# Altium PCB power_load.PcbDoc (part 1 of 2) (continued)
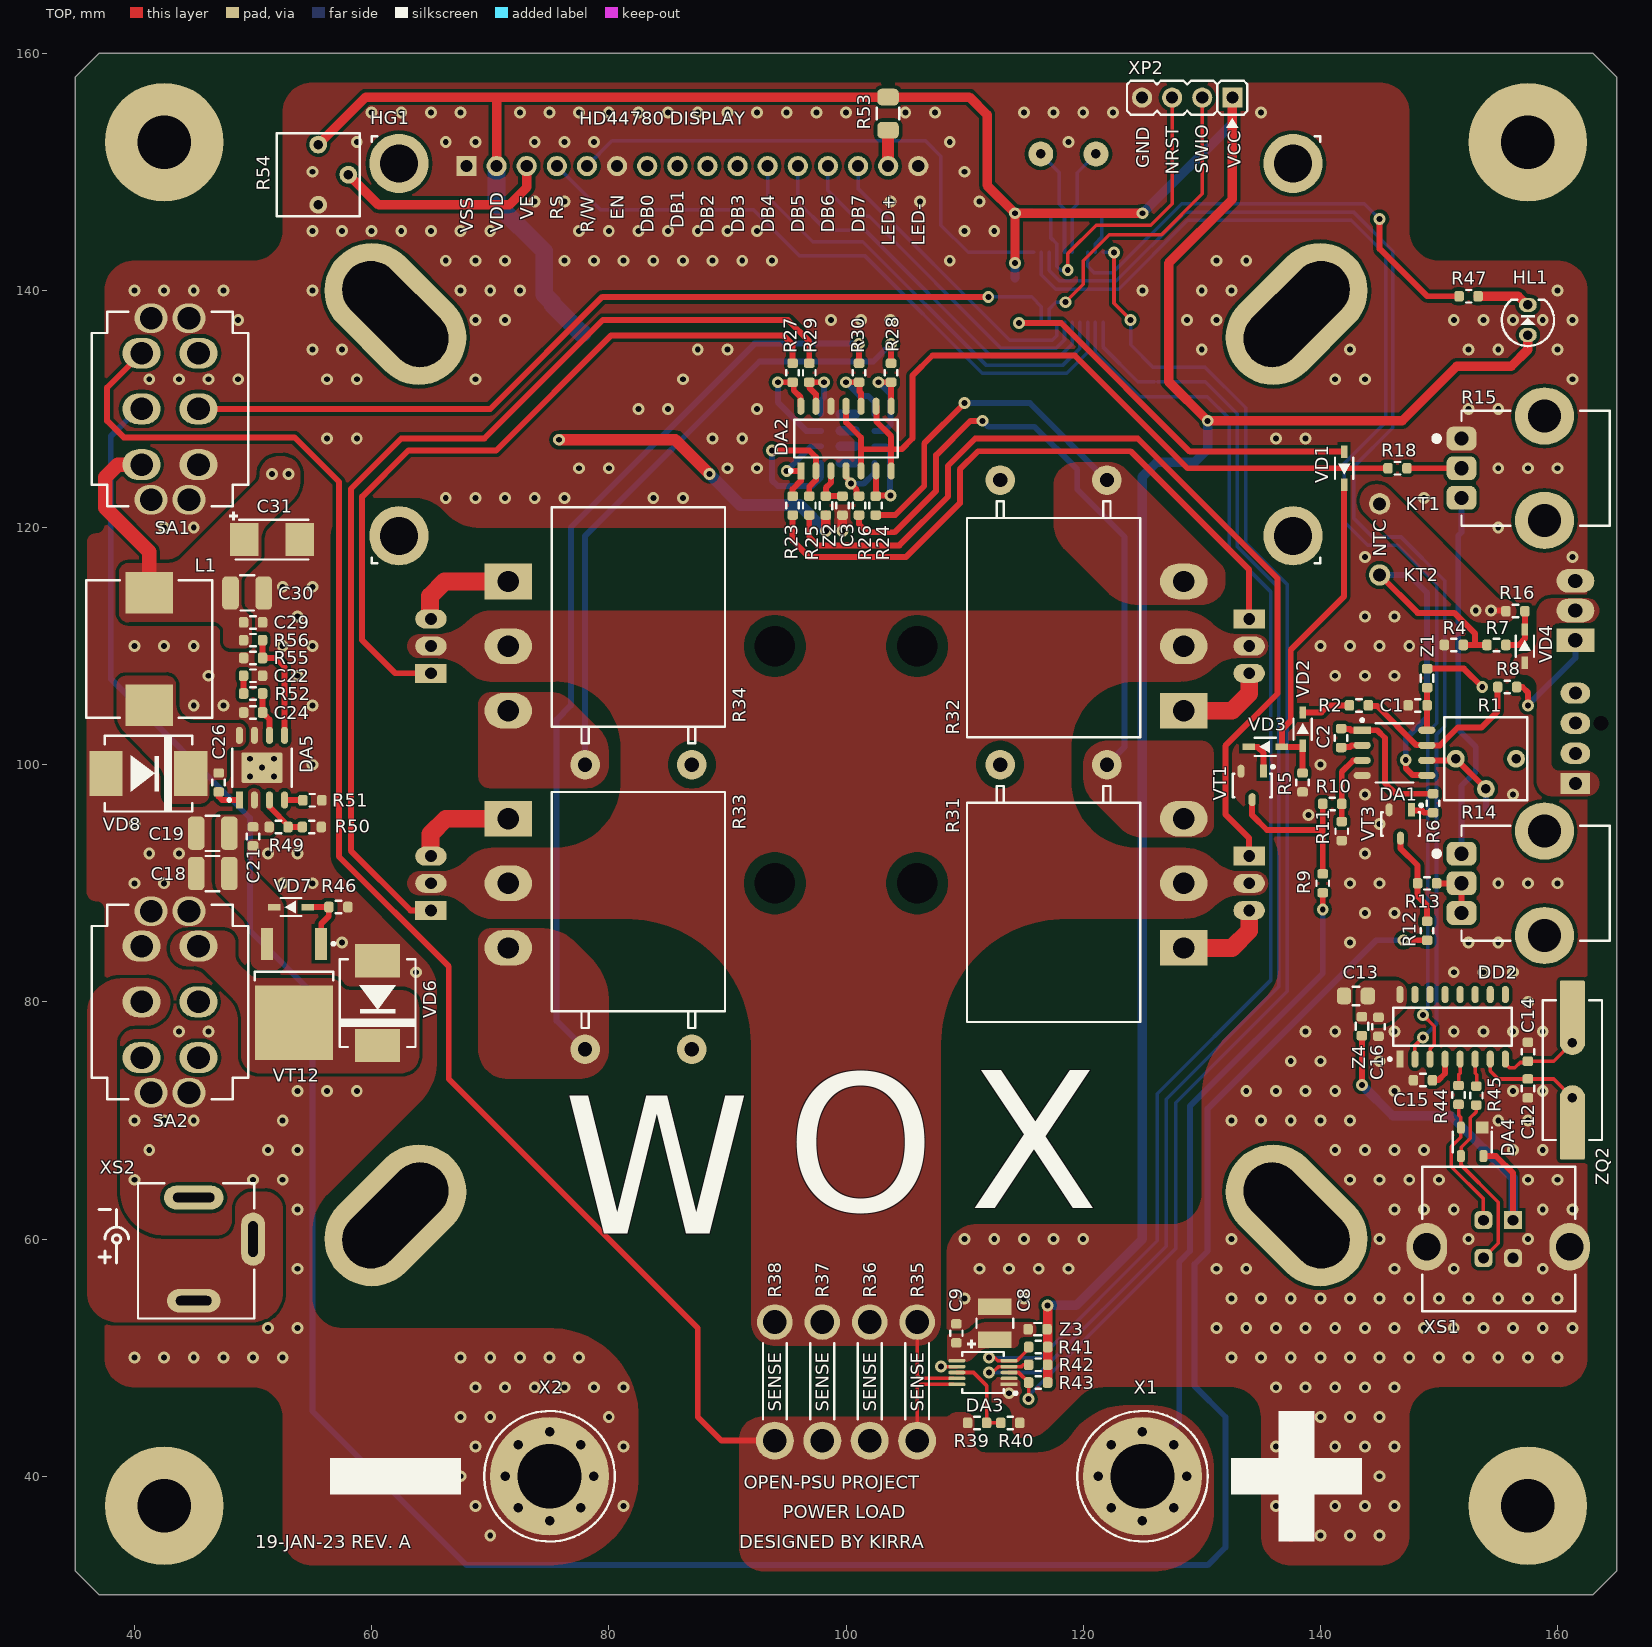
[diagram p0: TOP view]
## Components (designator, comment, footprint, x,y, rotation, side; value= is the part's Value field where it differs from the comment) (continued)
VT2 "TIP122" TO-220AB-3 161.5,113 r0 bottom
VT3 "BC846B,215" SOT23-3 146.75,95 r270 top
VT4 "BD139" "TO-126 (HORIZONTAL)" 134,90 r0 bottom locked
VT5 "BD139" "TO-126 (HORIZONTAL)" 134,110 r0 bottom locked
VT6 "BD139" "TO-126 (HORIZONTAL)" 65,90 r180 bottom locked
VT7 "BD139" "TO-126 (HORIZONTAL)" 65,110 r180 bottom locked
VT8 "MJE13009" "TO-3PN (HORIZONTAL, BOTTOM)" 128.475,90 r0 bottom locked
VT9 "MJE13009" "TO-3PN (HORIZONTAL, BOTTOM)" 128.475,110 r0 bottom locked
VT10 "MJE13009" "TO-3PN (HORIZONTAL, BOTTOM)" 71.525,90 r180 bottom locked
VT11 "MJE13009" "TO-3PN (HORIZONTAL, BOTTOM)" 71.525,110 r180 bottom locked
VT12 "WMO18P10TS" TO-252-3 53.45,80.7 r270 top
X1 "M5 x 8 mm" STANDOFF_M5_8MM 125,40 r0 top
X2 "M5 x 8 mm" STANDOFF_M5_8MM 75,40 r0 top
XP1 "470531000" 0470531000 161.5,103.5 r270 bottom
XP2 "PLS-4" PLS-4 132.58,156.25 r180 top
XS1 "DS1099-01-WN0-FE" DS1099-01-WN0-FE 155,60 r0 top
XS2 "DC-013A" DC-013A 45,60 r0 top
Z1 "BLM18AG331SN1D" BLM0603P 149,107.3 r90 top
Z2 "BLM18AG331SN1D" BLM0603P 98.3,121.85 r270 top
Z3 "BLM18AG331SN1D" BLM0603P 116.15,52.4 r180 top
Z4 "BLM18AG331SN1D" BLM0603P 143.5,77.95 r90 top
Z5 "BLM18AG331SN1D" BLM0603P 122.35,146.5 r0 bottom
Z6 "BLM18AG331SN1D" BLM0603P 128.05,126.3 r270 bottom
ZQ1 "SJK-6C-12.000-16-30-50-B-50-H" HC-49/US_With_Hole 118.75,151.5 r180 bottom
ZQ2 "SJK-6C-12.000-16-30-50-B-50-H" HC-49/US_With_Hole 161.25,74.25 r90 top

## Footprints (in the part's own frame and the unit in brackets; to place one, negate y for a bottom-side part, rotate by r counter-clockwise, add the part's x,y. Pads: shape width x height; smd on the part's side, far side on the other; paste and mask are expansions set on the pad)
1612-2_SLOT [mm] "Swage Threaded Standoffs 6-32 UNC"
  oval 13.6x8 hole 4.8 slot 10.657 at 45 deg rot 45 mask+0.075: 1(2,2)
  silkscreen extent -4.4,-4.4 8.4,8.4, body extent -3.17,-3.17 3.18,3.18, height 4.82
3362P [mm]
  round 1.5 hole 0.8: 1(2.54,0) 2(0,-2.54) 3(-2.54,0)
  silkscreen extent -3.5,-3.5 3.5,3.5, body extent -3.3,-3.3 3.3,3.3, height 4.79
0470531000 [mm]
  round 0 hole 1.25: 0(0,-2.16)
  rect 1.8x2.5 hole 1.1: 1(5.08,0)
  oval 1.8x2.5 hole 1.1: 2(2.54,0) 3(0,0) 4(-2.54,0)
  silkscreen extent -3.94,-2.67 6.53,3.43, body extent -3.81,-2.54 6.39,3.3, height 10.5
BLM0603P [mm] "Filter 0603"
  rrect50% 0.8x0.9 smd mask+0.05: 1(-0.8,0) 2(0.8,0)
  silkscreen extent -0.3,-0.53 0.3,0.53, body extent -0.82,-0.4 0.78,0.4, height 0.8
BPR58_HORIZONTAL [mm] "Metal plate resistor 5W"
  round 2.5 hole 1.2 mask+0.075: 1(-4.5,0) 2(4.5,0)
  silkscreen extent -7.3,-21.7 7.3,-1.8, body extent -7,-21.5 7,0.4, height 5.5
CAP0603 [mm] "Capacitor 0603"
  rrect50% 0.8x0.9 smd: 1(-0.8,0) 2(0.8,0)
  silkscreen extent -0.23,-0.53 0.23,0.53, body extent -0.8,-0.41 0.8,0.41, height 0.82
CAP0805-0.75 [mm] "Capacitor 0805"
  rrect50% 1.2x1.4 smd: 1(-1,-0.005) 2(1,-0.005)
  silkscreen extent -0.28,-0.78 0.28,0.77, body extent -1,-0.64 1,0.64, height 1.27
CAP1210-2.2 [mm] "Capacitor 1210"
  rrect50% 1.4x2.8 smd: 1(-1.4,0.025) 2(1.4,0.025)
  silkscreen extent -0.6,-1.48 0.58,1.5, body extent -1.6,-1.25 1.6,1.25, height 2.2
CAP_CASE_B [mm] "Capacitor Case B"
  rect 1.4x2.8 smd: 1(-1.4,0.025) 2(1.4,0.025)
  silkscreen extent -2.12,-1.52 0.4,2.37, body extent -1.87,-1.46 1.83,1.47, height 2.03
CAP_CASE_C [mm] "Capacitor Case C"
  rect 2.4x2.8 smd paste-50 mask+0.05: 1(-2.35,0.025) 2(2.35,0.025)
  silkscreen extent -3.62,-1.67 3.05,2.38, body extent -3.05,-1.67 3.05,1.68, height 2.7
CURRENT_SENSE_10x11mm [mm] "Constantan Current Sense, 10mm length, 11mm Heigth"
  round 3 hole 2 mask+0.075: 1(-5,0)
  round 3.2 hole 2 mask+0.075: 2(5,0)
  silkscreen extent -3.2,-1 3.2,1, body extent -6.25,-0.75 6.24,0.75, height 9.25
DC-013A [mm]
  oval 5x2 hole 0.8 slot 3.5 at 0 deg: 1(0,3.5)
  oval 2x4.5 hole 0.8 slot 3 at 90 deg: 2(5,0)
  oval 4.5x2 hole 0.8 slot 3 at 0 deg: 3(0,-5.2)
  silkscreen extent -8,-6.7 5.1,4.7, body extent -4.5,-6.5 4.9,4.5, height 15.2
DO-214AB [mil] "Molded Diode, 2-Leads, Body 6.9x5.8mm"
  rect 110x150 smd: 1(-140.49,0) 2(140.49,0)
  silkscreen extent -146,-126 146,126, body extent -156,-116 156,116, height 93
DS1099-01-WN0-FE [mm]
  rect 1.5x1.5 hole 0.9: 1(1.25,1.6)
  rrect50% 1.5x1.5 hole 0.9: 2(-1.25,1.6) 3(-1.25,-1.6) 4(1.25,-1.6)
  oval 3.4x4 hole 2.3: M1(-6.02,-0.65) M2(6.02,-0.65)
  silkscreen extent -6.4,-6.1 6.5,6.1, body extent -7.57,-5.73 7.58,5.73, height 15.72
GNL-3012GD [mm] "3mm Standard Brightness LED"
  oval 1.2x1.5 hole 0.8: 1(-1.27,0) 2(1.27,0)
  silkscreen extent -1.7,-2.2 2.2,2.2, body extent -1.52,-1.95 1.95,1.95, height 1.5
HC-49/US_With_Hole [mm]
  rrect10% 5.6x2.1 smd: 1(-4.75,0) 2(4.75,0)
  round 2.1 hole 0.8: 1(-2.325,0) 2(2.325,0)
  silkscreen extent -5.9,-2.5 5.9,2.5, body extent -6.15,-2.35 6.15,2.35, height 4.31
MHCC10040 [mm]
  rect 3.5x4 smd paste-5: 1(-4.75,0) 2(4.75,0)
  silkscreen extent -5.8,-5.3 5.8,5.3, body extent -5.8,-5.05 5.8,5.05, height 4.1
MTS-202-A2T [mm]
  oval 2.6x3.2 hole 1.9: 1(-4.7,2.4) 2(-4.7,-2.4) 3(0,2.4) 4(0,-2.4) 5(4.7,2.4) 6(4.7,-2.4)
  oval 2.5x2.8 hole 1.9: M1(-7.65,1.6) M2(-7.65,-1.6) M3(7.65,1.6) M4(7.65,-1.6)
  silkscreen extent -8.2,-6.6 8.2,6.6, body extent -7.9,-6.35 7.9,6.35, height 31.22
PLS-4 [mm]
  rect 1.7x1.7 hole 1.02: 1(0,0)
  round 1.7 hole 1.02: 2(2.54,0) 3(5.08,0) 4(7.62,0)
  silkscreen extent -1.27,-1.43 8.89,2.54, body extent -1.27,-1.27 8.89,1.27, height 9.2
PTV09A-4225F [mm]
  rrect50% 2x2.5 hole 1.2: 1(-2.5,-5.6) 2(0,-5.6) 3(2.5,-5.6)
  oval 4.8x5 hole 2.8: 4(-4.4,1.4) 5(4.4,1.4)
  silkscreen extent -4.85,-7.9 4.85,6.9, body extent -5.48,-5.55 5.48,6.91, height 25.02
RES0603B [mm] "Resistor 0603"
  rrect50% 0.8x0.9 smd: 1(-0.8,0) 2(0.8,0)
  silkscreen extent -0.23,-0.53 0.23,0.53, body extent -0.85,-0.45 0.85,0.45, height 0.56
RES0603C [mm] "Resistor 0603"
  rrect50% 0.8x0.9 smd: 1(-0.8,0) 2(0.8,0)
  silkscreen extent -0.23,-0.53 0.23,0.53, body extent -0.82,-0.45 0.88,0.45, height 0.56
RES1206C [mm] "Resistor 1206"
  rrect50% 1.4x1.8 smd: 1(-1.4,0) 2(1.4,0)
  silkscreen extent -0.5,-0.95 0.5,0.95, body extent -1.65,-0.85 1.65,0.85, height 0.66
SOD-323 [mm]
  rect 1.05x0.55 smd: 1(-1.4,0) 2(1.4,0)
  silkscreen extent -0.89,-0.76 0.89,0.76, body extent -1.3,-0.67 1.3,0.68, height 1.1
SOD-323F [mm]
  rect 1.05x0.55 smd: 1(-1.4,0) 2(1.4,0)
  silkscreen extent -0.89,-0.76 0.89,0.76, body extent -1.35,-0.68 1.35,0.67, height 0.79
SOIC-8 [mm] "SOIC-8 package"
  rect 1.45x0.6 smd paste+0 mask+0.05: 1(-2.725,1.905)
  oval 1.45x0.6 smd paste+0 mask+0.05: 2(-2.725,0.635) 3(-2.725,-0.635) 4(-2.725,-1.905) 5(2.725,-1.905) 6(2.725,-0.635) 7(2.725,0.635) 8(2.725,1.905)
  silkscreen extent -2.85,-2.5 1.6,2.88, body extent -3,-2.45 3,2.45, height 1.75
SOIC-8EP [mm] "SOIC-8 package with exponsed pad"
  rect 1.45x0.6 smd paste+0 mask+0.05: 1(-2.725,1.905)
  oval 1.45x0.6 smd paste+0 mask+0.05: 2(-2.725,0.635) 3(-2.725,-0.635) 4(-2.725,-1.905) 5(2.725,-1.905) 6(2.725,-0.635) 7(2.725,0.635) 8(2.725,1.905)
  rrect10% 2.56x3.45 smd paste-50 mask+0.05: EP(0,0)
  silkscreen extent -2.85,-2.5 1.6,2.88, body extent -3,-2.45 3,2.45, height 1.75
SOIC-14 [mm] "package SOIC-14, 150 mil"
  rect 1.45x0.6 smd paste+0 mask+0.05: 1(-2.725,3.81)
  oval 1.45x0.6 smd paste+0 mask+0.05: 2(-2.725,2.54) 3(-2.725,1.27) 4(-2.725,0) 5(-2.725,-1.27) 6(-2.725,-2.54) 7(-2.725,-3.81) 8(2.725,-3.81) 9(2.725,-2.54) 10(2.725,-1.27) 11(2.725,0) 12(2.725,1.27) 13(2.725,2.54) 14(2.725,3.81)
  silkscreen extent -2.85,-4.37 1.6,4.78, body extent -3.07,-4.35 3.07,4.35, height 1.73
SOIC-16 [mm] "package SOIC-16, 150 mil"
  rect 1.45x0.6 smd paste+0 mask+0.05: 1(-2.725,4.445)
  oval 1.45x0.6 smd paste+0 mask+0.05: 2(-2.725,3.175) 3(-2.725,1.905) 4(-2.725,0.635) 5(-2.725,-0.635) 6(-2.725,-1.905) 7(-2.725,-3.175) 8(-2.725,-4.445) 9(2.725,-4.445) 10(2.725,-3.175) 11(2.725,-1.905) 12(2.725,-0.635) 13(2.725,0.635) 14(2.725,1.905) 15(2.725,3.175) 16(2.725,4.445)
  silkscreen extent -2.85,-5 1.6,5.42, body extent -3,-5 3,5, height 1.75
SOT23-3 [mm] "SOT23, 6-Leads, Body 2.90x2.80mm, Pitch 0.95mm, IPC Medium Density"
  rect 1.1x0.6 smd paste+0 mask+0.05: 1(-1.2,0.95)
  oval 1.1x0.6 smd paste+0 mask+0.05: 2(-1.2,-0.95) 3(1.2,0)
  silkscreen extent -1.7,-1.63 1,1.88, body extent -1.3,-1.45 1.3,1.45, height 1.14
SOT143 [mm] "SOT143, 4-Leads, Body 2.92x2.37mm, Pitch 1.90mm, IPC Medium Density"
  rect 1x1.05 smd paste+0 mask+0.05: 1(-1.2,0.85)
  rrect50% 1x0.65 smd paste+0 mask+0.05: 2(-1.2,-0.95) 3(1.2,-0.95) 4(1.2,0.95)
  silkscreen extent -1.25,-1.65 0.87,1.73, body extent -1.18,-1.45 1.18,1.45, height 1.22
STANDOFF_M5_8MM [mm]
  round 10 hole 5.4: 1(0,0)
  silkscreen extent -5.5,-5.5 5.5,5.5, body extent -3.94,-3.5 3.94,3.5, height 8
TEST_PAD_HOLE1.1x1.8 [mm]
  round 1.8 hole 1.1 paste-0.05 mask+0.075: 1(0,0)
"TO-3PN (HORIZONTAL, BOTTOM)" [mm]
  rect 4x3 hole 1.8: 1(0,5.45)
  oval 4x3 hole 1.8: 2(0,0) 3(0,-5.45)
  round 0 hole 3.4 unplated: M(-22.475,0)
  silkscreen extent -27.8,-8.2 3.55,8.2, body extent -27.47,-7.9 0.35,7.9, height 5
"TO-126 (HORIZONTAL)" [mm]
  rect 2.65x1.6 hole 1: 1(0,-2.29)
  oval 2.65x1.6 hole 1: 2(0,0) 3(0,2.29)
  silkscreen extent 1.8,-4.1 14.15,3.85, body extent -0.29,-3.8 14.19,3.8, height 2.7
TO-220AB-3 [mm]
  rect 3.2x2 hole 1.2: 1(0,2.5)
  oval 3.2x2 hole 1.2: 2(0,0) 3(0,-2.5)
  silkscreen extent -1.5,-5 2.9,5, body extent -1.55,-4.95 2.91,4.95, height 20.05
TO-252-3 [mm] "D-PAK, 3-Pads, Body 6.15x6.66mm (max), IPC Medium Density"
  rect 2.7x1 smd paste+0 mask+0.05: 1(-4.2,2.28) 3(-4.2,-2.28)
  rect 6.3x6.6 smd paste-50 mask+0.05: 2(2.45,0)
  silkscreen extent -4.32,-3.3 -1.1,3.46, body extent -4.82,-3.29 4.88,3.29, height 2.3
TSSOP-20 [mm] "TSOP, 20-Leads, Body 6.50x4.40mm, Pitch 0.65mm, IPC Medium Density"
  rect 1.4x0.45 smd paste+0 mask+0.05: 1(-2.95,2.925)
  oval 1.4x0.45 smd paste+0 mask+0.05: 2(-2.95,2.275) 3(-2.95,1.625) 4(-2.95,0.975) 5(-2.95,0.325) 6(-2.95,-0.325) 7(-2.95,-0.975) 8(-2.95,-1.625) 9(-2.95,-2.275) 10(-2.95,-2.925) 11(2.95,-2.925) 12(2.95,-2.275) 13(2.95,-1.625) 14(2.95,-0.975) 15(2.95,-0.325) 16(2.95,0.325) 17(2.95,0.975) 18(2.95,1.625) 19(2.95,2.275) 20(2.95,2.925)
  silkscreen extent -3.07,-3.45 2.42,3.82, body extent -3.21,-3.2 3.22,3.2, height 1.11
VSSOP-10 [mm] "TSOP, 10-Leads, Body 3.00x3.00mm, Pitch 0.5mm, IPC Medium Density"
  rect 1.45x0.3 smd paste+0 mask+0.05: 1(-2.2,1)
  oval 1.45x0.3 smd paste+0 mask+0.05: 2(-2.2,0.5) 3(-2.2,0) 4(-2.2,-0.5) 5(-2.2,-1) 6(2.2,-1) 7(2.2,-0.5) 8(2.2,0) 9(2.2,0.5) 10(2.2,1)
  silkscreen extent -2.88,-1.73 1.75,1.87, body extent -2.46,-1.5 2.46,1.5, height 1.1
WH1602 [mm]
  rect 1.7x1.7 hole 1.02: 1(-32.003,15.484)
  round 1.7 hole 1.02: 2(-29.463,15.484) 3(-26.923,15.484) 4(-24.383,15.484) 5(-21.843,15.483) 6(-19.303,15.483) 7(-16.763,15.483) 8(-14.223,15.483) 9(-11.683,15.483) 10(-9.143,15.483) 11(-6.603,15.483) 12(-4.063,15.483) 13(-1.524,15.483) 14(1.016,15.483) 15(3.556,15.483) 16(6.096,15.483)
  round 5 hole 3.2: M1(-37.7,15.7) M2(-37.7,-15.7) M3(37.7,15.7) M4(37.7,-15.7)
  silkscreen extent -40,-18 40,18, body extent -40,-18 40,18, height 19.96

## Part data
C1 C2 C3 C4 C5 C6 C7 C9 C15 C16 C17 C20 C21 C25 C26 C27 C29 C32: library part C0603, "Capacitors 0603 package case", Dielectric=X7R, Manufacturer="Samsung Sdi Co. Ltd", Package=0603, Part Number=CL10B104KB8NNNC, Tolerance="± 10 %", Voltage=50V, Value on schem=0.1u
C8 C28: library part C_CASEB, "Tantalum capacitors case B", Manufacturer="Vishay Intertechnology Inc.", Package="case B", Part Number=293D107X0010B2TE3, Tolerance="± 10 %", Voltage=10V, ESR="2.5Ohm @ 100 kHz", Series=293D, Value on schem=100u
C10 C11 C12 C14: library part C0603, "Capacitors 0603 package case", Dielectric=NP0, Manufacturer=Samsung, Package=0603, Part Number=CL10C120JB8NNNC, Tolerance="± 5 %", Voltage=50V, Value on schem=16p
C13: library part C0805, "Capacitors 0805 package case", Dielectric=X7R, Manufacturer="Samsung Sdi Co. Ltd", Package=0805, Part Number=CL21B106KOQNNNE, Tolerance="± 10 %", Voltage=16V, Value on schem=10u
C18 C19 C30: library part C1210, "Capacitors 1210 package case", Dielectric=X7R, Manufacturer="Murata Electronics Inc.", Package=1210, Part Number=GRM32ER71J106KA12L, Tolerance="± 10 %", Voltage=100V, Value on schem=10u
C22: library part C0603, "Capacitors 0603 package case", Dielectric=NP0, Manufacturer="Samsung Sdi Co. Ltd", Package=0603, Part Number=CL10C751JB8NNNC, Tolerance="± 5 %", Voltage=50V, Value on schem=750p
C23 C31: library part C_CASEC, "Tantalum capacitors case C", Manufacturer=VISHAY, Package="case C", Part Number=293D336X9020C2TE3, Tolerance="± 10 %", Voltage=20V, ESR Ohm@kHz=1.0, Value on schem=33u
C24: library part C0603, "Capacitors 0603 package case", Dielectric=NP0, Manufacturer="Samsung Sdi Co. Ltd", Package=0603, Part Number=CL10C6R8CB8NNNC, Tolerance="± 0.25 pF", Voltage=50V, Value on schem=6.8p
DA1: "Low-Power, Dual-Operational Amplifiers", Manufacturer="Texas Instruments", Package=SOIC-8, Part Number=LM358M/NOPB
DA2: "Quad Comparators", Manufacturer="Texas Instruments", Package=SOIC-14, Part Number=LM339DR
DA3: "High-Side or Low-Side Measurement, / Bi-Directional Current and Power Monitor with I / 2C Compatible Interface", Manufacturer="Texas Instruments", Package=VSSOP-10, Part Number=INA226AIDGS
DA4: "Ultra low capacitance double rail-to-rail ESD protection diode", Manufacturer="NXP USA Inc.", Package=SOT-143, Part Number=PRTR5V0U2X
DA5: "60-V Input, 3.5-A, Step-Down DC/DC Converter With Eco-Mode", Manufacturer="Texas Instruments", Package=SOIC-8, Part Number=TPS54360DDA
DA6: "Low drop positive voltage regulator", Manufacturer=STMicroelectronics, Package=TO-252-3, Part Number=LD1117DT50CTR
DD1: "RISC-V MCU 48MHz with 16KB flash, 2KB RAM", Manufacturer=WinChipHead, Package=TSSOP-20, Part Number=CH32V003F4P6
DD2: "USB to Serial Port Chip", Manufacturer=WinChipHead, Package=SO-16, Part Number=CH340G
DD3: "2K I2C Serial EEPROM", Manufacturer="Microchip Technology", Package=SOIC-8, Part Number=24LC02B-I/SN
HG1: "1602 Display with 16 pin PBS connector", Part Number=WH-1602
HL1: "Standard Brightness 3mm LED", Color="Green, 565 nm", Manufacturer="G-Nor Optoelectronics", Package=3mm, Part Number=GNL-3012GD
KT1 KT2: "Test pad"
L1: "Shielded SMD Power Inductor", Inductance @ 100 kHz="8.2 uH", Manufacturer="Chilisin Elec", Package="10.1x11.6x4 mm", Irms Typ="6 A", Isat Typ="9 A", Part Number=MHCC10040-8R2M-R7, RDC="30 mOhm"
MECH1 MECH2 MECH3 MECH4: "Swage Threaded Standoffs 6-32 Thread x 0.250, H = 0.187", Manufacturer=Keystone, Part Number=1612-2, Thread="6-32 UNC"
R1: "TRIMMER 10K OHM 0.5W PC PIN TOP", Manufacturer="Bourns Inc.", Power Dissipation=0.5W, Part Number=3362P-1-103LF
R2 R9 R16 R18 R19 R20 R21 R22 R23 R25 R27 R29 R47: library part R0603, "Resistor 0603 package case", Manufacturer=Yageo, Package=0603, Part Number=RC0603FR-071KL, Temperature coefficient="± 100 ppm/°C", Tolerance="± 1 %", Voltage=75V, Value on schem=1k
R3 R4 R7: library part R0603, "Resistor 0603 package case", Manufacturer=Yageo, Package=0603, Part Number=RC0603FR-07100KL, Temperature coefficient="± 100 ppm/°C", Tolerance="± 1 %", Voltage=75V, Value on schem=100k
R5 R6 R8: library part R0603, "Resistor 0603 package case", Manufacturer=Yageo, Package=0603, Part Number=RC0603FR-072KL, Temperature coefficient="± 100 ppm/°C", Tolerance="± 1 %", Voltage=75V, Value on schem=2k
R10: library part R0603, "Resistor 0603 package case", Manufacturer=Yageo, Package=0603, Part Number=RC0603FR-07470KL, Temperature coefficient="± 100 ppm/°C", Tolerance="± 1 %", Voltage=75V, Value on schem=470k
R11 R48 R50 R55: library part R0603, "Resistor 0603 package case", Manufacturer=Yageo, Package=0603, Part Number=RC0603FR-0710KL, Temperature coefficient="± 100 ppm/°C", Tolerance="± 1 %", Voltage=75V, Value on schem=10k
R12 R13: library part R0603, "Resistor 0603 package case", Manufacturer=Yageo, Package=0603, Part Number=RC0603FR-07220KL, Temperature coefficient="± 100 ppm/°C", Tolerance="± 1 %", Voltage=75V, Value on schem=220k
R14: "1 kOhm Potentiometer", Manufacturer="Bourns Inc.", Power Dissipation=0.05W, Part Number=PTV09A-4225F-B102
R15: "10 kOhm Potentiometer", Manufacturer="Bourns Inc.", Power Dissipation=0.05W, Part Number=PTV09A-4225F-B103
R17 R39 R40: library part R0603, "Resistor 0603 package case", Manufacturer=Matsushita, Package=0603, Part Number=ERA3AEB103V, Temperature coefficient="± 25 ppm/°C", Tolerance="± 0.1 %", Voltage=75V, Value on schem=10k
R24 R26 R28 R30: library part R0603, "Resistor 0603 package case", Manufacturer=Yageo, Package=0603, Part Number=RC0603FR-07200RL, Temperature coefficient="± 100 ppm/°C", Tolerance="± 1 %", Voltage=75V, Value on schem=200
R31 R32 R33 R34: library part BPR58, "Rectangular type metal plate resistors", Manufacturer="KOA Speer", Package=5W, Part Number=BPR58CR10J, Temperature coefficient="±350 /°C", Tolerance="± 5 %", Value on schem=0.1
R35 R36 R37 R38: library part SHUNT_10MM, "Constantan shunt resistor, pitch = 10mm", Package=10MM, Temperature coefficient=±*/°C, Tolerance="±  %", Value on schem=0.04
R41 R42 R43: library part R0603, "Resistor 0603 package case", Manufacturer=Yageo, Package=0603, Part Number=RC0603FR-074K7L, Temperature coefficient="± 100 ppm/°C", Tolerance="± 1 %", Voltage=75V, Value on schem=4.7k
R44 R45: library part R0603, "Resistor 0603 package case", Manufacturer=Yageo, Package=0603, Part Number=RC0603FR-0727RL, Tolerance="± 1 %", Value on schem=27
R46: library part R0603, "Resistor 0603 package case", Manufacturer=Yageo, Package=0603, Part Number=RC0603FR-0747KL, Temperature coefficient="± 100 ppm/°C", Tolerance="± 1 %", Voltage=75V, Value on schem=47k
R49: library part R0603, "Resistor 0603 package case", Manufacturer=Yageo, Package=0603, Part Number=RC0603FR-07100KL, Tolerance="± 1 %", Value on schem=100k
R51: library part R0603, "Resistor 0603 package case", Manufacturer=Yageo, Package=0603, Part Number=RC0603FR-0782KL, Tolerance="± 1 %", Value on schem=82k
R52: library part R0603, "Resistor 0603 package case", Manufacturer=Yageo, Package=0603, Part Number=RC0603FR-0756KL, Tolerance="± 1 %", Value on schem=56k
R53: library part R1206, "Resistor 1206 package case", Manufacturer=Yageo, Package=1206, Part Number=RC1206FR-07100RL, Temperature coefficient="± 100 ppm/°C", Tolerance="± 1 %", Voltage="200 V", Value on schem=100
R54: "TRIMMER 1K OHM 0.5W PC PIN TOP", Manufacturer="Bourns Inc.", Power Dissipation=0.5W, Part Number=3362P-1-102LF
R56: library part R0603, "Resistor 0603 package case", Manufacturer=Yageo, Package=0603, Part Number=RC0603FR-07140KL, Tolerance="± 1 %", Value on schem=140k
SA1 SA2: "Switch", Manufacturer=RUICHI, Part Number=MTS-202-A2T
VD1 VD3: "Diode 75V, 150mA", Manufacturer="ON Semiconductor", Package=SOD-323F, Part Number=1N4448WS
VD2 VD4: "Voltage regulator diodes 5.1V", Package=SOD-323, Part Number=BZX384-C5V1
VD5 VD8: "Diode Schottky 60V, 5A", Manufacturer="Diodes Incorporated", Package=SMC/DO-214AB, Part Number=B560C-13-F
VD6: "36V Transient Voltage Suppressors", Manufacturer=Vishay, Package="DO-214AB-2 (SMС)", Part Number=SMCJ36A-E3/57T
VD7: "Voltage regulator diodes 9.1V", Package=SOD-323, Part Number=BZX384-C9V1
VT1 VT3: "General Purpose n-p-n Transistors", Manufacturer="Nexperia USA Inc.", Package=SOT23-3, Part Number=BC846B,215
VT2: "Power Darlington Transistor", Manufacturer=STMicroelectronics, Package=TO-220, Part Number=TIP122
VT4 VT5 VT6 VT7: "General Purpose n-p-n Transistors", Manufacturer=STMicroelectronics, Package=TO-126, Part Number=BD139
VT8 VT9 VT10 VT11: "General Purpose n-p-n Transistors 400V, 12A, 100W", Manufacturer="Inchange Semiconductor", Package=TO-220A, Part Number=MJE13009
VT12: "P-Channel MOSFET, -100V, -18A", Manufacturer=Wayon, Package=TO-252, Part Number=WMO18P10TS
X1 X2: library part STANDOFF_M5_8MM, "Standoffs M5 Thread x 0.8, H = 8 mm", Part Number="M5 x 8 mm", Thread=M5
XS1: "USB Type B Vertical Female", Manufacturer=Connfly, Part Nubmer=DS1099-01-WN0-FE
XS2: "Straight DC Power Receptacle Connector 2mm x 6.4mm", Part Number=DC-013A
Z1 Z2 Z3 Z4 Z5 Z6: "Power line filter, imperdance 330 Ohm (current 05A)", Package=0603, Part Number=BLM18AG331SN1D
ZQ1 ZQ2: library part HC-49, "Crystal resonator", Frequency="12 MHz", Frequency Tolerance=±30ppm, Load Capacitance="16 pF", Manufacturer=SJK, Package=HC-49US, Part Number=SJK-6C-12.000-16-30-50-B-50-H
XP1: Part Number=470531000

## Free pads (board coordinates)
  round 10 hole 4.5 mask+0: MECHNICAL(42.5,37.5) MECHNICAL(42.5,152.5) MECHNICAL(157.5,37.5) MECHNICAL(157.5,152.5)

## Via types
v1: diameter 1, hole 0.5, TOP to BOT, tented both sides, 418 vias
v2: diameter 1.5, hole 0.8, TOP to BOT, tented both sides, 16 vias

## Nets (pads, with @x,y where several pads share a name; then routed paths per layer and width w, separated by ;. In a path a pad name is that pad's centre, name@x,y a point inside that pad or via, vN(x,y) a via of type N, cw(c..) or ccw(c..) an arc to the next point about the centre after c; other vN are vias at no path point)
ALERT: DA3.3 DD1.10 R43.1 | length 118.7
  TOP w0.3: DA3.3@113.75,48.75 114.55,48.75 R43.1@115.4,47.9 v1(115.4,46.5) ; v1(122.6,143.2) 122.6,138.9 v1(124,137.5)
  BOT w0.3: v1(115.4,46.5) 115.4,46.689 115.622,46.911 115.622,47.022 127.8,59.2 127.8,71.5 137.2,80.9 137.2,115.2 133.7,118.7 133.7,130.1 130.3,133.5 125.9,133.5 124,135.4 v1(124,137.5) ; DD1.10@121.675,143.2 v1(122.6,143.2)
GND: C1.2 C3.2 C8.2 C9.2 C10.2 C11.2 C12.1 C13.2 C14.1 C15.2 C16.2 C17.1 C18.1 C19.1 C20.1 C21.1 C22.1 C23.2 C24.1 C25.1 C27.1 C28.2 C29.1 C30.1 C31.2 C32.2 DA1.4 DA2.12 DA3.1 DA3.2 DA3.7 DA4.1 DA5.7 DA5.EP DA6.1 DD1.7 DD2.1 DD3.1 DD3.2 DD3.3 DD3.4 DD3.7 HG1.1 HG1.6 HG1.16 R3.1 R4.1 R5.2 R11.1 R15.1 R31.1 R32.1 R33.1 R34.1 R40.2 R46.1 R50.1 R51.2 R54.3 R55.1 SA1.2 SA1.M1 SA1.M2 SA1.M3 SA1.M4 SA2.2 SA2.M1 SA2.M2 SA2.M3 SA2.M4 VD6.1 VD8.1 VT1.2 VT2.3 VT3.2 X2.1 XP2.4 XS1.4 XS1.M1 XS1.M2 | length 2.7
  TOP w0.3: v1(108,49.25) 108.775,49.25 DA3.7@109.35,49.25
  TOP w0.8: v1(99.7,119.7) C3.2@99.7,121.05
  other v1: 70,35 137.5,35 140,35 142.5,35 145,35 68.75,37.5 81.25,37.5 136.25,37.5 138.75,37.5 141.25,37.5 143.75,37.5 146.25,37.5 67.5,40 137.5,40 140,40 142.5,40 145,40 68.75,42.5 81.25,42.5 136.25,42.5 138.75,42.5 141.25,42.5 143.75,42.5 146.25,42.5 67.5,45 70,45 80,45 137.5,45 140,45 142.5,45 145,45 113.75,47 68.75,47.5 71.25,47.5 73.75,47.5 76.25,47.5 78.75,47.5 81.25,47.5 136.25,47.5 138.75,47.5 141.25,47.5 143.75,47.5 146.25,47.5 40,50 42.5,50 45,50 47.5,50 50,50 52.5,50 67.5,50 70,50 72.5,50 75,50 77.5,50 132.5,50 135,50 137.5,50 140,50 142.5,50 145,50 147.5,50 150,50 152.5,50 155,50 157.5,50 160,50 51.25,52.5 53.75,52.5 131.25,52.5 133.75,52.5 136.25,52.5 138.75,52.5 141.25,52.5 143.75,52.5 146.25,52.5 148.75,52.5 151.25,52.5 153.75,52.5 156.25,52.5 158.75,52.5 161.25,52.5 110,55 115,55 132.5,55 135,55 137.5,55 140,55 142.5,55 145,55 147.5,55 150,55 152.5,55 155,55 157.5,55 160,55 53.75,57.5 111.25,57.5 113.75,57.5 116.25,57.5 118.75,57.5 131.25,57.5 133.75,57.5 146.25,57.5 151.25,57.5 158.75,57.5 110,60 112.5,60 115,60 117.5,60 120,60 132.5,60 145,60 152.5,60 157.5,60 53.75,62.5 146.25,62.5 148.75,62.5 151.25,62.5 158.75,62.5 161.25,62.5 40,65 50,65 52.5,65 142.5,65 145,65 147.5,65 150,65 157.5,65 160,65 41.25,67.5 51.25,67.5 53.75,67.5 141.25,67.5 143.75,67.5 146.25,67.5 148.75,67.5 156.25,67.5 158.75,67.5 40,70 42.5,70 45,70 52.5,70 132.5,70 135,70 137.5,70 140,70 142.5,70 155,70 157.5,70 53.75,72.5 56.25,72.5 58.75,72.5 133.75,72.5 136.25,72.5 138.75,72.5 141.25,72.5 146.25,72.5 156.25,72.5 158.75,72.5 137.5,75 140,75 145,75 43.75,77.5 46.25,77.5 138.75,77.5 141.25,77.5 146.25,77.5 151.25,77.5 153.75,77.5 156.25,77.5 158.75,77.5 157.5,80 63.75,82.5 151.25,82.5 153.75,82.5 156.25,82.5 57.5,85 142.5,85 152.5,85 155,85 143.75,87.5 146.25,87.5 40,90 42.5,90 52.5,90 55,90 142.5,90 145,90 155,90 157.5,90 160,90 41.25,92.5 43.75,92.5 51.25,92.5 53.75,92.5 143.75,92.5 40,95 145,95 139,95.75 143.75,97.5 156.25,97.5 49.75,99 51.75,99 50.75,99.75 55,100 140,100 49.75,100.5 51.75,100.5 45,105 47.5,105 55,105 46.25,107.5 53.75,107.5 141.25,107.5 143.75,107.5 146.25,107.5 40,110 42.5,110 45,110 52.5,110 55,110 140,110 142.5,110 145,110 147.5,110 53.75,112.5 143.75,112.5 146.25,112.5 52.5,115 55,115 143.75,117.5 161.25,117.5 42.5,120 45,120 155,120 66.25,122.5 68.75,122.5 71.25,122.5 73.75,122.5 76.25,122.5 83.75,122.5 86.25,122.5 148.75,122.5 77.5,125 80,125 90,125 92.5,125 155,125 157.5,125 160,125 56.25,127.5 58.75,127.5 88.75,127.5 91.25,127.5 136.25,127.5 138.75,127.5 82.5,130 85,130 92.5,130 152.5,130 155,130 41.25,132.5 43.75,132.5 46.25,132.5 48.75,132.5 56.25,132.5 58.75,132.5 68.75,132.5 86.25,132.5 141.25,132.5 143.75,132.5 161.25,132.5 55,135 57.5,135 87.5,135 90,135 130,135 142.5,135 152.5,135 155,135 160,135 48.75,137.5 68.75,137.5 71.25,137.5 98.75,137.5 101.25,137.5 103.75,137.5 128.75,137.5 131.25,137.5 151.25,137.5 153.75,137.5 156.25,137.5 158.75,137.5 161.25,137.5 40,140 42.5,140 45,140 47.5,140 55,140 67.5,140 70,140 72.5,140 125,140 130,140 132.5,140 160,140 66.25,142.5 68.75,142.5 71.25,142.5 76.25,142.5 78.75,142.5 81.25,142.5 83.75,142.5 86.25,142.5 88.75,142.5 91.25,142.5 93.75,142.5 108.75,142.5 131.25,142.5 133.75,142.5 55,145 57.5,145 60,145 62.5,145 65,145 67.5,145 70,145 77.5,145 80,145 82.5,145 85,145 87.5,145 90,145 92.5,145 110,145 112.5,145 73.75,147.5 76.25,147.5 103.75,147.5 106.25,147.5 111.25,147.5 55,150 110,150 58.75,152.5 66.25,152.5 68.75,152.5 73.75,152.5 76.25,152.5 78.75,152.5 108.75,152.5 118.75,152.5 60,155 62.5,155 65,155 67.5,155 72.5,155 75,155 77.5,155 80,155 82.5,155 85,155 87.5,155 90,155 92.5,155 95,155 97.5,155 100,155 105,155 107.5,155 115,155 117.5,155 120,155 122.5,155 135,155
  other v2: 75,36.25 72.348,37.348 77.652,37.348 71.25,40 78.75,40 72.348,42.652 77.652,42.652 75,43.75
HG_DB0: DD1.14 HG1.11 | length 37.6
  BOT w0.3: HG1.11@93.397,150.483 93.397,147.903 97.2,144.1 101.4,144.1 111.8,133.7 118.3,133.7 119.725,135.125 DD1.14@119.725,137.3
HG_DB1: DD1.15 HG1.12 | length 33.8
  BOT w0.3: HG1.12@95.937,150.483 95.937,147.463 98.35,145.05 101.65,145.05 112.3,134.4 118,134.4 119.075,135.475 DD1.15@119.075,137.3
HG_DB2: DD1.16 HG1.13 | length 29.3
  BOT w0.3: HG1.13@98.476,150.483 98.476,148.4 100.638,146.238 101.962,146.238 113.1,135.1 117.7,135.1 118.425,135.825 DD1.16@118.425,137.3
HG_DB3: DD1.17 HG1.14 | length 25.2
  BOT w0.3: HG1.14@101.016,150.483 101.016,148.584 113.8,135.8 117.4,135.8 117.775,136.175 DD1.17@117.775,137.3
HG_RS: DD1.13 HG1.4 | length 55.3
  BOT w0.3: HG1.4@75.617,150.484 79.301,146.8 92.2,146.8 96.1,142.9 101.6,142.9 111.5,133 118.6,133 120.375,134.775 DD1.13@120.375,137.3
HG_RW: DD1.1 HG1.5 | length 45.8
  BOT w0.3: HG1.5@78.157,150.483 80.274,152.6 106.7,152.6 108,151.3 108,145.5 110.3,143.2 DD1.1@115.825,143.2
I2C_SCL: DA3.5 DD1.12 DD3.6 R41.1 | length 113.2
  TOP w0.3: v1(112.05,50) 112.55,50 112.8,49.75 DA3.5@113.75,49.75 114.415,49.75 115.154,50.489 115.154,50.631 115.4,50.877 R41.1@115.4,50.9
  BOT w0.3: v1(112.05,50) 116.4,50 126.25,59.85 126.25,72.25 135.8,81.8 135.8,114.6 132.3,118.1 132.3,129.2 130.465,131.035 DD3.6@126.275,131.035 124.765,131.035 121.025,134.775 DD1.12@121.025,137.3
I2C_SDA: DA3.4 DD1.11 DD3.5 R42.1 | length 114
  TOP w0.3: v1(112.05,48.75) 112.184,48.884 112.509,48.884 112.875,49.25 DA3.4@113.75,49.25 114.8,49.25 114.95,49.4 R42.1@115.4,49.4
  BOT w0.3: v1(112.05,48.75) 116.35,48.75 127,59.4 127,71.8 136.5,81.3 136.5,114.9 133,118.4 133,129.6 130.295,132.305 DD3.5@126.275,132.305 ; DD1.11@121.675,137.3 121.675,135.225 124.595,132.305 DD3.5@125.995,132.305
LED: DD1.8 R47.1 | length 39.8
  TOP w0.5: v1(145,146) 145,143.5 149,139.5 R47.1@151.7,139.5
  BOT w0.3: DD1.8@120.375,143.2 120.375,142.025 120.9,141.5 122.5,141.5 128.3,147.3 143.7,147.3 v1(145,146)
LOAD: DA3.10 R9.2 R35.2 R36.2 R37.2 R38.2 R39.1 SA1.5 X1.1 | length 190.4
  TOP w0.3: R35.2@106,43 106,47.5 106.25,47.75 DA3.10@109.05,47.75
  TOP w0.5: SA1.5@40.6,134.7 37.7,131.8 37.7,129 39.1,127.6 53.5,127.6 57.25,123.85 57.25,92.25 66.5,83 66.5,73.5 87.5,52.5 87.5,45 89.5,43 R38.2@94,43 ; v1(140.2,87.8) R9.2@140.2,89.2
  BOT w0.5: X1.1@125,40 125,41.518 128.1,44.618 128.1,58.1 129,59 129,71.2 140.2,82.4 v1(140.2,87.8)
  other v2: 125,36.25 122.348,37.348 127.652,37.348 121.25,40 128.75,40 122.348,42.652 127.652,42.652 125,43.75
NetC1_1: C1.1 DA1.8 Z1.1 | length 3.6
  TOP w0.5: DA1.8@148.975,102.905 149,102.93 C1.1@149,105 Z1.1@149,106.5
NetC2_1: C2.1 DA1.1 R6.1 | length 12.3
  TOP w0.5: C2.1@141.75,103.05 141.797,103.003 142.497,103.003 142.6,102.9 143.52,102.9 DA1.1@143.525,102.905 144.795,102.905 145.45,102.25 145.45,98.45 146.35,97.55 R6.1@149.5,97.55